# KiCad board hvd-50-ce-panel.kicad_pcb (continued)
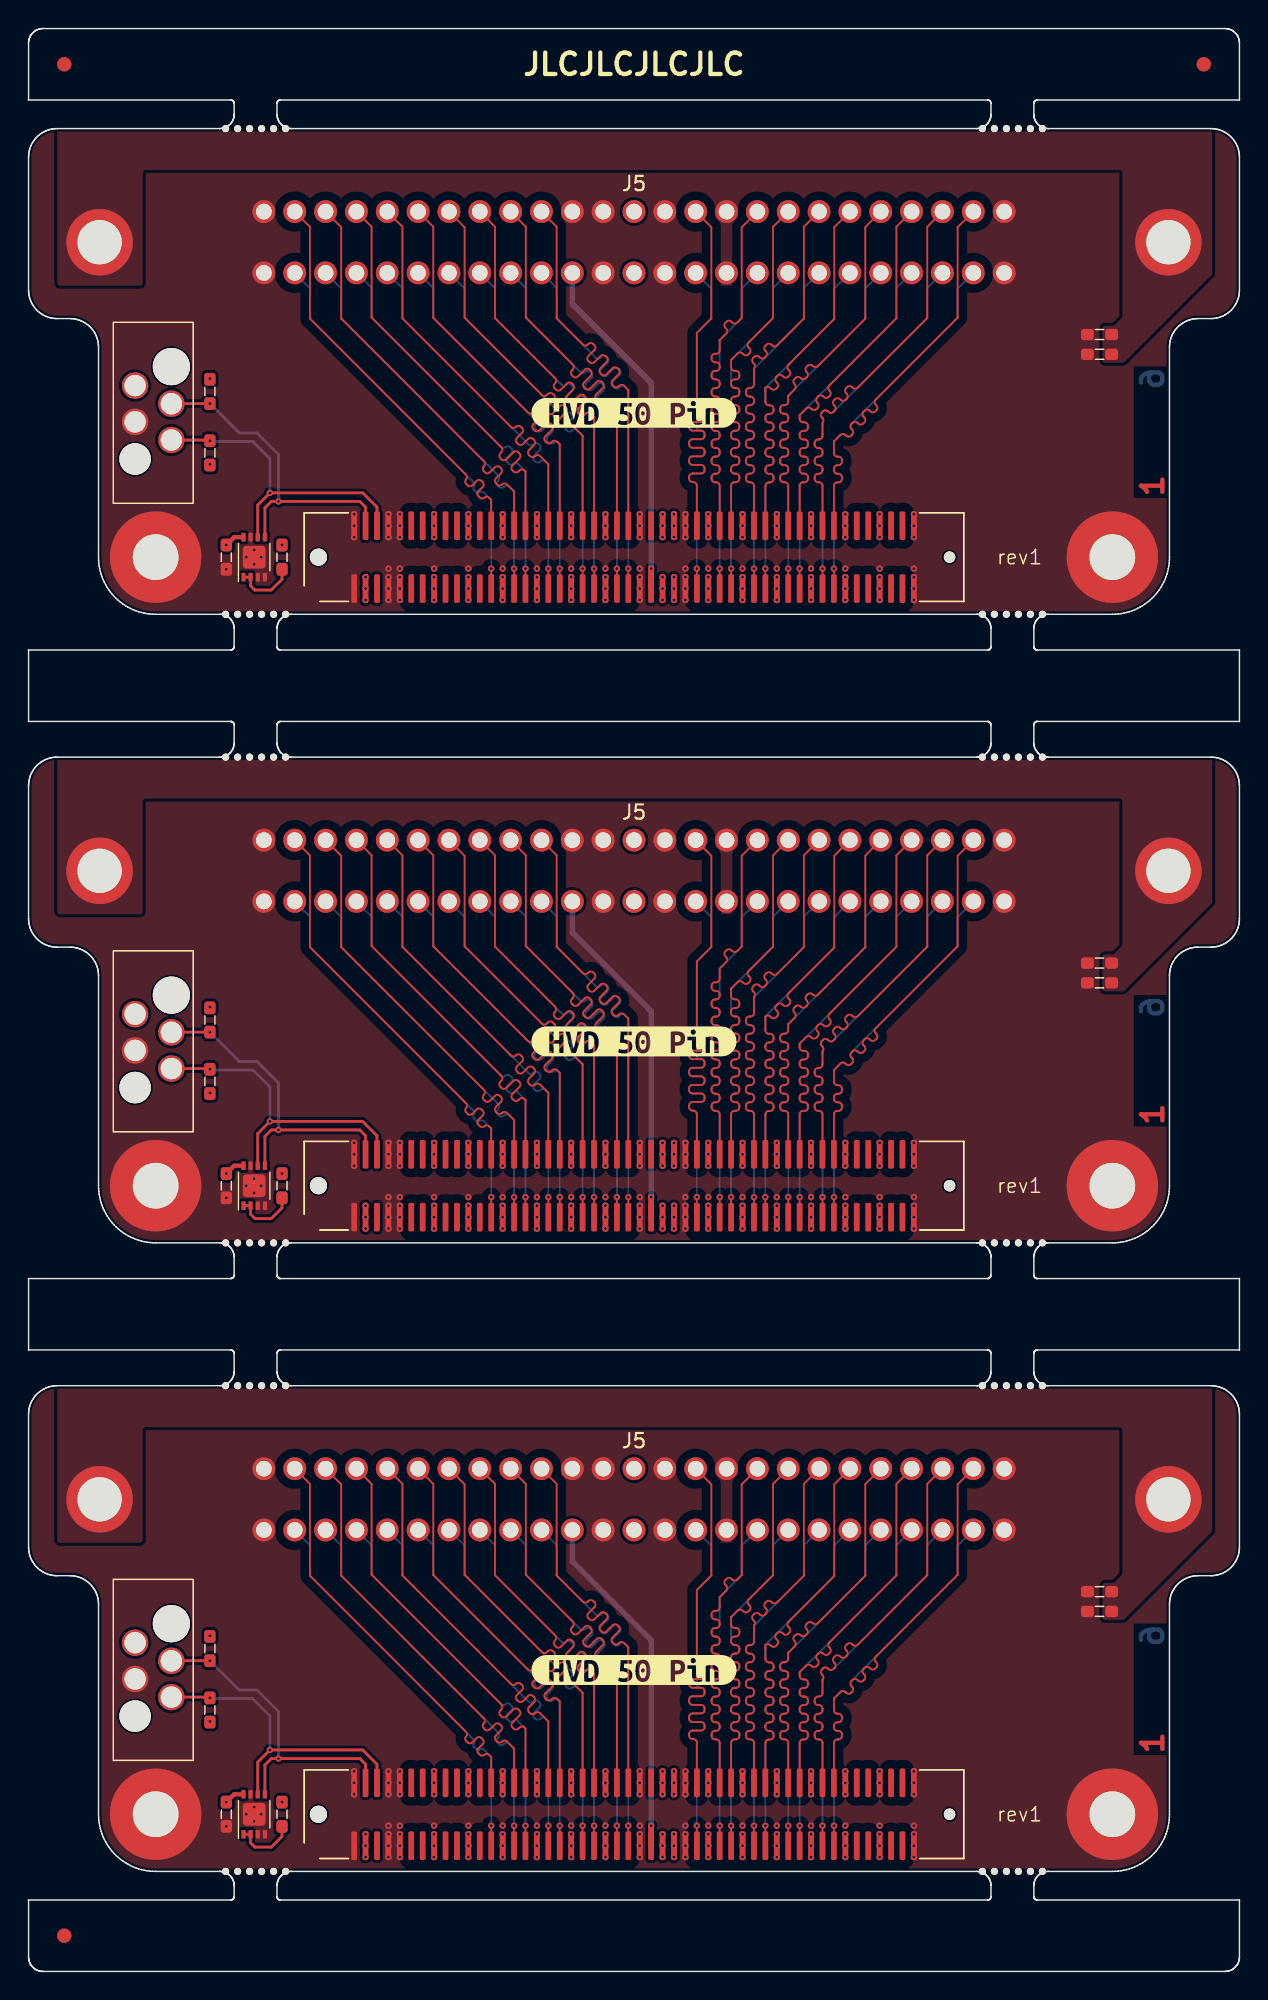
[diagram p0: board, top side]
## Routing (per net, layer and track width the routed paths; a pad name or vN(x,y) marks a point on that pad's centre or on a via; arc(x,y) is an arc through that point) (continued)
Board_1-/CON.SEL+: length 28.2
  Top w0.128: J1.77 v1(53.2,54.2)
  Bottom w0.128: v1(53.2,54.2) 53.2,60.01 arc(53.13,60.18) 52.96,60.25 52.89,60.25 arc(52.72,60.32) 52.65,60.49 52.65,60.61 arc(52.72,60.78) 52.89,60.85 52.96,60.85 arc(53.13,60.92) 53.2,61.09 53.2,61.21 arc(53.13,61.38) 52.96,61.45 52.89,61.45 arc(52.72,61.52) 52.65,61.69 52.65,61.81 arc(52.72,61.98) 52.89,62.05 52.96,62.05 arc(53.13,62.12) 53.2,62.29 53.2,62.41 arc(53.13,62.58) 52.96,62.65 52.89,62.65 arc(52.72,62.72) 52.65,62.89 52.65,63.01 arc(52.72,63.18) 52.89,63.25 52.96,63.25 arc(53.13,63.32) 53.2,63.49 53.2,63.61 arc(53.13,63.78) 52.96,63.85 52.89,63.85 arc(52.72,63.92) 52.65,64.09 52.65,64.21 arc(52.72,64.38) 52.89,64.45 52.96,64.45 arc(53.13,64.52) 53.2,64.69 53.2,64.81 arc(53.13,64.98) 52.96,65.05 52.89,65.05 arc(52.72,65.12) 52.65,65.29 52.65,65.41 arc(52.72,65.58) 52.89,65.65 52.96,65.65 arc(53.13,65.72) 53.2,65.89 53.2,66.3 58.6,71.7 58.6,73.82 J5#3.21
Board_1-/CON.SEL-: length 29.6
  Top w0.128: J5#3.46 58.6,78.11 58.6,71.7 55.27,68.37 arc(55.1,68.3) 54.93,68.37 54.9,68.4 arc(54.73,68.47) 54.56,68.4 54.48,68.32 arc(54.41,68.15) 54.48,67.98 54.51,67.95 arc(54.58,67.78) 54.51,67.61 54.42,67.53 arc(54.25,67.45) 54.08,67.53 54.05,67.56 arc(53.88,67.63) 53.71,67.56 53.63,67.47 arc(53.56,67.3) 53.63,67.13 53.66,67.1 arc(53.73,66.93) 53.66,66.76 53.2,66.3 53.2,65.88 arc(53.13,65.71) 52.96,65.64 52.87,65.64 arc(52.7,65.57) 52.63,65.4 52.63,65.28 arc(52.7,65.11) 52.87,65.04 52.96,65.04 arc(53.13,64.97) 53.2,64.8 53.2,64.68 arc(53.13,64.51) 52.96,64.44 52.87,64.44 arc(52.7,64.37) 52.63,64.2 52.63,64.08 arc(52.7,63.91) 52.87,63.84 52.96,63.84 arc(53.13,63.77) 53.2,63.6 53.2,63.48 arc(53.13,63.31) 52.96,63.24 52.87,63.24 arc(52.7,63.17) 52.63,63 52.63,62.88 arc(52.7,62.71) 52.87,62.64 52.96,62.64 arc(53.13,62.57) 53.2,62.4 53.2,62.28 arc(53.13,62.11) 52.96,62.04 52.87,62.04 arc(52.7,61.97) 52.63,61.8 52.63,61.68 arc(52.7,61.51) 52.87,61.44 52.96,61.44 arc(53.13,61.37) 53.2,61.2 53.2,61.08 arc(53.13,60.91) 52.96,60.84 52.87,60.84 arc(52.7,60.77) 52.63,60.6 52.63,60.48 arc(52.7,60.31) 52.87,60.24 52.96,60.24 arc(53.13,60.17) 53.2,60 J1.78
Board_1-/CON.TERMPWR:
  vias: v1(44.4,58) v1(44.4,57.2) v1(44.4,56.4) v1(44.4,53.6) v1(44.4,52.8) v1(44.4,52) v1(45.2,58) v1(45.2,57.2) v1(45.2,56.4) v1(45.2,53.6) v1(45.2,52.8) v1(45.2,52)
Board_1-/PHY.ID_SCL: length 22.5
  Top w0.2: J1.6 24.4,58.5 23.4,59.5 v1(16.9,59.5) 16.05,58.65 U1#2.6 ; v1(12.7,63.15) 12.35,63.15 12.3,63.2 J3#3.4
  Bottom w0.2: v1(12.7,63.15) 12.75,63.1 15.7,63.1 16.9,61.9 v1(16.9,59.5)
Board_1-/PHY.ID_SDA: length 23
  Top w0.2: J1.4 23.6,58.5 23.2,58.9 17,58.9 16.55,58.45 U1#2.5 ; v1(12.7,65.75) 10.01,65.75 J3#3.2
  Bottom w0.2: v1(17.5,58.9) 17.5,62.2 16,63.7 14.75,63.7 v1(12.7,65.75)
Board_1-GND:
  vias: v1(13.85,54.15) v1(15.25,55) v1(15.8,55.5) v1(15.8,54.5) v1(16.3,55) v1(22.8,58) v1(22.8,57.2) v1(22.8,56.4) v1(25.2,58) v1(25.2,57.2) v1(25.2,56.4) v1(25.2,54.2) v1(25.2,53.6) v1(25.2,52.8) v1(25.2,52) v1(26,58) v1(26,57.2) v1(26,56.4) v1(26,54.2) v1(26,53.6) v1(26,52.8) v1(26,52) v1(28.4,58) v1(28.4,57.2) v1(28.4,56.4) v1(28.4,54.2) v1(28.4,53.6) v1(28.4,52.8) v1(28.4,52) v1(30.8,58) v1(30.8,57.2) v1(30.8,56.4) v1(30.8,54.2) v1(30.8,53.6) v1(30.8,52.8) v1(30.8,52) v1(33.2,58) v1(33.2,57.2) v1(33.2,56.4) v1(33.2,54.2) v1(33.2,53.6) v1(33.2,52.8) v1(33.2,52) v1(35.6,58) v1(35.6,57.2) v1(35.6,56.4) v1(35.6,54.2) v1(35.6,53.6) v1(35.6,52.8) v1(35.6,52) v1(38,58) v1(38,57.2) v1(38,56.4) v1(38,54.2) v1(38,53.6) v1(38,52.8) v1(38,52) v1(40.4,58) v1(40.4,57.2) v1(40.4,56.4) v1(40.4,54.2) v1(40.4,53.6) v1(40.4,52.8) v1(40.4,52) v1(42.8,58) v1(42.8,57.2) v1(42.8,56.4) v1(42.8,54.2) v1(42.8,53.6) v1(42.8,52.8) v1(42.8,52) v1(46,58) v1(46,57.2) v1(46,56.4) v1(46,54.2) v1(46,53.6) v1(46,52.8) v1(46,52) v1(47.6,58) v1(47.6,57.2) v1(47.6,56.4) v1(47.6,54.2) v1(47.6,53.6) v1(47.6,52.8) v1(47.6,52) v1(50,58) v1(50,57.2) v1(50,56.4) v1(50,54.2) v1(50,53.6) v1(50,52.8) v1(50,52) v1(52.4,58) v1(52.4,57.2) v1(52.4,56.4) v1(52.4,54.2) v1(52.4,53.6) v1(52.4,52.8) v1(52.4,52) v1(54.8,58) v1(54.8,57.2) v1(54.8,56.4) v1(54.8,54.2) v1(54.8,53.6) v1(54.8,52.8) v1(54.8,52) v1(57.2,58) v1(57.2,57.2) v1(57.2,56.4) v1(57.2,54.2) v1(57.2,53.6) v1(57.2,52.8) v1(57.2,52) v1(59.6,58) v1(59.6,57.2) v1(59.6,56.4) v1(59.6,54.2) v1(59.6,53.6) v1(59.6,52.8) v1(59.6,52) v1(62,58) v1(62,57.2) v1(62,56.4) v1(62,54.2) v1(62,53.6) v1(62,52.8) v1(62,52)
Board_1-Net-(U1-E0): length 4.4
  Top w0.2: R1#2.1 17.75,53.45 17,52.7 15.85,52.7 15.55,53 U1#2.2 U1#2.1
Board_2-+3V3: length 1.4
  Top w0.3: U1.8 14.4,12.4 v1(13.85,11.85)
  vias: v1(12.7,23.5) v1(12.7,17.5) v1(17.75,11.85) v1(23.6,9.6) v1(23.6,8.8) v1(23.6,8)
Board_2-/CON.ACK+: length 28.2
  Top w0.128: J1#3.67 v1(49.2,10.2)
  Bottom w0.128: J5.18 52.14,29.84 52.14,27.74 49.2,24.8 49.2,23.1 arc(49.27,22.93) 49.44,22.86 49.54,22.86 arc(49.71,22.79) 49.78,22.62 49.78,22.5 arc(49.71,22.33) 49.54,22.26 49.44,22.26 arc(49.27,22.19) 49.2,22.02 49.2,21.9 arc(49.27,21.73) 49.44,21.66 49.54,21.66 arc(49.71,21.59) 49.78,21.42 49.78,21.3 arc(49.71,21.13) 49.54,21.06 49.44,21.06 arc(49.27,20.99) 49.2,20.82 49.2,20.7 arc(49.27,20.53) 49.44,20.46 49.54,20.46 arc(49.71,20.39) 49.78,20.22 49.78,20.1 arc(49.71,19.93) 49.54,19.86 49.44,19.86 arc(49.27,19.79) 49.2,19.62 49.2,19.5 arc(49.27,19.33) 49.44,19.26 49.54,19.26 arc(49.71,19.19) 49.78,19.02 49.78,18.9 arc(49.71,18.73) 49.54,18.66 49.44,18.66 arc(49.27,18.59) 49.2,18.42 49.2,18.3 arc(49.27,18.13) 49.44,18.06 49.54,18.06 arc(49.71,17.99) 49.78,17.82 49.78,17.7 arc(49.71,17.53) 49.54,17.46 49.44,17.46 arc(49.27,17.39) 49.2,17.22 49.2,17.1 arc(49.27,16.93) 49.44,16.86 49.54,16.86 arc(49.71,16.79) 49.78,16.62 49.78,16.5 arc(49.71,16.33) 49.54,16.26 49.44,16.26 arc(49.27,16.19) 49.2,16.02 v1(49.2,10.2)
Board_2-/CON.ACK-: length 29.6
  Top w0.128: J5.43 52.14,34.13 52.14,27.74 50.42,26.03 arc(50.35,25.86) 50.42,25.69 50.49,25.62 arc(50.56,25.45) 50.49,25.28 50.41,25.19 arc(50.24,25.12) 50.07,25.19 50,25.26 arc(49.83,25.33) 49.66,25.26 49.2,24.8 49.2,24.28 arc(49.27,24.12) 49.44,24.04 49.54,24.04 arc(49.71,23.97) 49.78,23.8 49.78,23.68 arc(49.71,23.52) 49.54,23.44 49.44,23.44 arc(49.27,23.37) 49.2,23.2 49.2,23.08 arc(49.27,22.92) 49.44,22.84 49.54,22.84 arc(49.71,22.77) 49.78,22.6 49.78,22.48 arc(49.71,22.32) 49.54,22.24 49.44,22.24 arc(49.27,22.17) 49.2,22 49.2,21.88 arc(49.27,21.72) 49.44,21.64 49.54,21.64 arc(49.71,21.57) 49.78,21.4 49.78,21.28 arc(49.71,21.12) 49.54,21.04 49.44,21.04 arc(49.27,20.97) 49.2,20.8 49.2,20.68 arc(49.27,20.52) 49.44,20.44 49.54,20.44 arc(49.71,20.37) 49.78,20.2 49.78,20.08 arc(49.71,19.92) 49.54,19.84 49.44,19.84 arc(49.27,19.77) 49.2,19.6 49.2,19.48 arc(49.27,19.32) 49.44,19.24 49.54,19.24 arc(49.71,19.17) 49.78,19 49.78,18.88 arc(49.71,18.72) 49.54,18.64 49.44,18.64 arc(49.27,18.57) 49.2,18.4 49.2,18.28 arc(49.27,18.12) 49.44,18.04 49.54,18.04 arc(49.71,17.97) 49.78,17.8 49.78,17.68 arc(49.71,17.52) 49.54,17.44 49.44,17.44 arc(49.27,17.37) 49.2,17.2 49.2,17.08 arc(49.27,16.92) 49.44,16.84 49.54,16.84 arc(49.71,16.77) 49.78,16.6 49.78,16.48 arc(49.71,16.32) 49.54,16.24 49.44,16.24 arc(49.27,16.17) 49.2,16 J1#3.68
Board_2-/CON.ATN+: length 28.2
  Top w0.128: J1#3.61 v1(46.8,10.2)
  Bottom w0.128: v1(46.8,10.2) 46.8,16.02 arc(46.73,16.19) 46.56,16.26 46.48,16.26 arc(46.31,16.33) 46.24,16.5 46.24,16.62 arc(46.31,16.79) 46.48,16.86 47.12,16.86 arc(47.29,16.93) 47.36,17.1 47.36,17.22 arc(47.29,17.39) 47.12,17.46 46.48,17.46 arc(46.31,17.53) 46.24,17.7 46.24,17.82 arc(46.31,17.99) 46.48,18.06 47.12,18.06 arc(47.29,18.13) 47.36,18.3 47.36,18.42 arc(47.29,18.59) 47.12,18.66 46.48,18.66 arc(46.31,18.73) 46.24,18.9 46.24,19.02 arc(46.31,19.19) 46.48,19.26 47.12,19.26 arc(47.29,19.33) 47.36,19.5 47.36,19.62 arc(47.29,19.79) 47.12,19.86 47.04,19.86 arc(46.87,19.93) 46.8,20.1 46.8,26.7 47.81,27.71 47.81,29.81 J5.15
Board_2-/CON.ATN-: length 29.6
  Top w0.128: J1#3.62 46.8,16.02 arc(46.73,16.19) 46.56,16.26 46.5,16.26 arc(46.33,16.33) 46.26,16.5 46.26,16.62 arc(46.33,16.79) 46.5,16.86 47.1,16.86 arc(47.27,16.93) 47.34,17.1 47.34,17.22 arc(47.27,17.39) 47.1,17.46 46.5,17.46 arc(46.33,17.53) 46.26,17.7 46.26,17.82 arc(46.33,17.99) 46.5,18.06 47.1,18.06 arc(47.27,18.13) 47.34,18.3 47.34,18.42 arc(47.27,18.59) 47.1,18.66 46.5,18.66 arc(46.33,18.73) 46.26,18.9 46.26,19.02 arc(46.33,19.19) 46.5,19.26 47.1,19.26 arc(47.27,19.33) 47.34,19.5 47.34,19.62 arc(47.27,19.79) 47.1,19.86 46.5,19.86 arc(46.33,19.93) 46.26,20.1 46.26,20.22 arc(46.33,20.39) 46.5,20.46 47.1,20.46 arc(47.27,20.53) 47.34,20.7 47.34,20.82 arc(47.27,20.99) 47.1,21.06 47.04,21.06 arc(46.87,21.13) 46.8,21.3 46.8,26.7 47.82,27.72 47.82,34.1 J5.40
Board_2-/CON.BSY+: length 28.2
  Top w0.128: J1#3.65 v1(48.4,10.2)
  Bottom w0.128: J5.17 49.94,29.8 49.94,27.74 48.4,26.2 48.4,24.29 arc(48.33,24.12) 48.16,24.05 48.08,24.05 arc(47.91,23.98) 47.84,23.81 47.84,23.69 arc(47.91,23.52) 48.08,23.45 48.16,23.45 arc(48.33,23.38) 48.4,23.21 48.4,23.09 arc(48.33,22.92) 48.16,22.85 48.08,22.85 arc(47.91,22.78) 47.84,22.61 47.84,22.49 arc(47.91,22.32) 48.08,22.25 48.16,22.25 arc(48.33,22.18) 48.4,22.01 48.4,21.89 arc(48.33,21.72) 48.16,21.65 48.08,21.65 arc(47.91,21.58) 47.84,21.41 47.84,21.29 arc(47.91,21.12) 48.08,21.05 48.16,21.05 arc(48.33,20.98) 48.4,20.81 48.4,20.69 arc(48.33,20.52) 48.16,20.45 48.08,20.45 arc(47.91,20.38) 47.84,20.21 47.84,20.09 arc(47.91,19.92) 48.08,19.85 48.16,19.85 arc(48.33,19.78) 48.4,19.61 48.4,19.49 arc(48.33,19.32) 48.16,19.25 48.08,19.25 arc(47.91,19.18) 47.84,19.01 47.84,18.89 arc(47.91,18.72) 48.08,18.65 48.16,18.65 arc(48.33,18.58) 48.4,18.41 48.4,18.29 arc(48.33,18.12) 48.16,18.05 48.08,18.05 arc(47.91,17.98) 47.84,17.81 47.84,17.69 arc(47.91,17.52) 48.08,17.45 48.16,17.45 arc(48.33,17.38) 48.4,17.21 48.4,17.09 arc(48.33,16.92) 48.16,16.85 48.08,16.85 arc(47.91,16.78) 47.84,16.61 47.84,16.49 arc(47.91,16.32) 48.08,16.25 48.16,16.25 arc(48.33,16.18) 48.4,16.01 v1(48.4,10.2)
Board_2-/CON.BSY-: length 29.6
  Top w0.128: J1#3.66 48.4,16 arc(48.33,16.17) 48.16,16.24 48.07,16.24 arc(47.9,16.31) 47.83,16.48 47.83,16.6 arc(47.9,16.77) 48.07,16.84 48.16,16.84 arc(48.33,16.91) 48.4,17.08 48.4,17.2 arc(48.33,17.37) 48.16,17.44 48.07,17.44 arc(47.9,17.51) 47.83,17.68 47.83,17.8 arc(47.9,17.97) 48.07,18.04 48.16,18.04 arc(48.33,18.11) 48.4,18.28 48.4,18.4 arc(48.33,18.57) 48.16,18.64 48.07,18.64 arc(47.9,18.71) 47.83,18.88 47.83,19 arc(47.9,19.17) 48.07,19.24 48.16,19.24 arc(48.33,19.31) 48.4,19.48 48.4,19.6 arc(48.33,19.77) 48.16,19.84 48.07,19.84 arc(47.9,19.91) 47.83,20.08 47.83,20.2 arc(47.9,20.37) 48.07,20.44 48.16,20.44 arc(48.33,20.51) 48.4,20.68 48.4,20.8 arc(48.33,20.97) 48.16,21.04 48.07,21.04 arc(47.9,21.11) 47.83,21.28 47.83,21.4 arc(47.9,21.57) 48.07,21.64 48.16,21.64 arc(48.33,21.71) 48.4,21.88 48.4,22 arc(48.33,22.17) 48.16,22.24 48.07,22.24 arc(47.9,22.31) 47.83,22.48 47.83,22.6 arc(47.9,22.77) 48.07,22.84 48.16,22.84 arc(48.33,22.91) 48.4,23.08 48.4,23.2 arc(48.33,23.37) 48.16,23.44 48.07,23.44 arc(47.9,23.51) 47.83,23.68 47.83,23.8 arc(47.9,23.97) 48.07,24.04 48.16,24.04 arc(48.33,24.11) 48.4,24.28 48.4,24.4 arc(48.33,24.57) 48.16,24.64 48.07,24.64 arc(47.9,24.71) 47.83,24.88 47.83,25 arc(47.9,25.17) 48.07,25.24 48.16,25.24 arc(48.33,25.31) 48.4,25.48 48.4,26.2 48.86,26.66 arc(48.93,26.83) 48.86,27 48.8,27.06 arc(48.73,27.23) 48.8,27.4 48.88,27.49 arc(49.05,27.56) 49.22,27.49 49.28,27.43 arc(49.45,27.35) 49.62,27.43 49.94,27.75 49.94,34.1 J5.42
Board_2-/CON.C/D+: length 28.2
  Top w0.128: J1#3.79 v1(54,10.2)
  Bottom w0.128: v1(54,10.2) 54,16.01 arc(54.07,16.18) 54.24,16.25 54.32,16.25 arc(54.49,16.32) 54.56,16.49 54.56,16.61 arc(54.49,16.78) 54.32,16.85 54.24,16.85 arc(54.07,16.92) 54,17.09 54,17.21 arc(54.07,17.38) 54.24,17.45 54.32,17.45 arc(54.49,17.52) 54.56,17.69 54.56,17.81 arc(54.49,17.98) 54.32,18.05 54.24,18.05 arc(54.07,18.12) 54,18.29 54,18.41 arc(54.07,18.58) 54.24,18.65 54.32,18.65 arc(54.49,18.72) 54.56,18.89 54.56,19.01 arc(54.49,19.18) 54.32,19.25 54.24,19.25 arc(54.07,19.32) 54,19.49 54,19.61 arc(54.07,19.78) 54.24,19.85 54.32,19.85 arc(54.49,19.92) 54.56,20.09 54.56,20.21 arc(54.49,20.38) 54.32,20.45 54.24,20.45 arc(54.07,20.52) 54,20.69 54,20.95 60.77,27.72 60.77,29.83 J5.22
Board_2-/CON.C/D-: length 29.6
  Top w0.128: J5.47 60.78,34.13 60.78,27.73 56.16,23.11 56.07,23.02 arc(56,22.85) 56.07,22.68 56.11,22.64 arc(56.18,22.47) 56.11,22.3 56.03,22.22 arc(55.86,22.15) 55.69,22.22 55.65,22.26 arc(55.48,22.33) 55.31,22.26 55.22,22.17 arc(55.15,22) 55.22,21.83 55.26,21.79 arc(55.33,21.62) 55.26,21.45 55.18,21.37 arc(55.01,21.3) 54.84,21.37 54.8,21.41 arc(54.63,21.48) 54.46,21.41 54,20.95 54,20.68 arc(54.07,20.51) 54.24,20.44 54.35,20.44 arc(54.52,20.37) 54.59,20.2 54.59,20.08 arc(54.52,19.91) 54.35,19.84 54.24,19.84 arc(54.07,19.77) 54,19.6 54,19.48 arc(54.07,19.31) 54.24,19.24 54.35,19.24 arc(54.52,19.17) 54.59,19 54.59,18.88 arc(54.52,18.71) 54.35,18.64 54.24,18.64 arc(54.07,18.57) 54,18.4 54,18.28 arc(54.07,18.11) 54.24,18.04 54.35,18.04 arc(54.52,17.97) 54.59,17.8 54.59,17.68 arc(54.52,17.51) 54.35,17.44 54.24,17.44 arc(54.07,17.37) 54,17.2 54,17.08 arc(54.07,16.91) 54.24,16.84 54.35,16.84 arc(54.52,16.77) 54.59,16.6 54.59,16.48 arc(54.52,16.31) 54.35,16.24 54.24,16.24 arc(54.07,16.17) 54,16 J1#3.80
Board_2-/CON.DB0+: length 28.2
  Top w0.128: J1#3.25 v1(32.4,10.2)
  Bottom w0.128: v1(32.4,10.2) 32.4,15 31.86,15.54 arc(31.74,15.59) 31.61,15.54 arc(31.49,15.49) 31.37,15.54 31.19,15.72 arc(31.14,15.84) 31.19,15.96 arc(31.24,16.09) 31.19,16.21 19.7,27.7 19.7,29.84 J5.2
Board_2-/CON.DB0-: length 29.6
  Top w0.128: J1#3.26 32.4,15.01 32.24,15.17 arc(32.08,15.23) 31.93,15.17 arc(31.77,15.1) 31.61,15.17 31.49,15.28 arc(31.42,15.44) 31.49,15.6 31.81,15.92 arc(31.88,16.08) 31.81,16.24 31.71,16.35 arc(31.55,16.41) 31.38,16.35 31.07,16.03 arc(30.91,15.96) 30.75,16.03 30.64,16.13 arc(30.58,16.29) 30.64,16.45 arc(30.71,16.61) 30.64,16.77 19.7,27.71 19.7,34.13 J5.27
Board_2-/CON.DB1+: length 28.2
  Top w0.128: J1#3.29 v1(34,10.2)
  Bottom w0.128: J5.3 21.9,29.8 21.9,27.7 32.9,16.71 arc(32.97,16.54) 32.9,16.37 32.87,16.34 arc(32.8,16.17) 32.87,16 32.95,15.91 arc(33.12,15.84) 33.29,15.91 33.32,15.94 arc(33.49,16.01) 33.66,15.94 34,15.6 v1(34,10.2)
Board_2-/CON.DB1-: length 29.6
  Top w0.128: J1#3.30 34,15.6 33.5,16.1 arc(33.33,16.17) 33.16,16.1 33.15,16.09 arc(32.98,16.02) 32.81,16.09 32.73,16.17 arc(32.66,16.34) 32.73,16.51 33.09,16.88 arc(33.16,17.05) 33.09,17.22 33.01,17.3 arc(32.84,17.37) 32.67,17.3 32.3,16.94 arc(32.13,16.87) 31.96,16.94 31.88,17.02 arc(31.81,17.19) 31.88,17.36 31.89,17.37 arc(31.96,17.54) 31.89,17.71 31.81,17.8 21.9,27.71 21.9,34.1 J5.28
Board_2-/CON.DB2+: length 28.2
  Top w0.128: J1#3.31 v1(34.8,10.2)
  Bottom w0.128: v1(34.8,10.2) 34.8,17 34.27,17.53 arc(34.11,17.6) 33.96,17.53 arc(33.8,17.47) 33.65,17.53 33.52,17.66 arc(33.45,17.82) 33.52,17.97 33.83,18.28 arc(33.9,18.44) 33.83,18.59 33.72,18.71 arc(33.56,18.77) 33.41,18.71 arc(33.25,18.64) 33.1,18.71 24.03,27.78 24.03,29.84 J5.4
Board_2-/CON.DB2-: length 29.6
  Top w0.128: J5.29 24.02,34.13 24.02,27.78 33.11,18.69 arc(33.18,18.52) 33.11,18.35 33.04,18.27 arc(32.97,18.1) 33.04,17.93 33.12,17.85 arc(33.29,17.77) 33.46,17.85 33.96,18.34 arc(34.13,18.41) 34.3,18.34 34.38,18.26 arc(34.45,18.09) 34.38,17.92 33.88,17.42 arc(33.81,17.25) 33.88,17.08 33.97,17 arc(34.14,16.93) 34.31,17 34.39,17.08 arc(34.56,17.15) 34.73,17.08 34.8,17 J1#3.32
Board_2-/CON.DB3+: length 28.2
  Top w0.128: J1#3.35 v1(36.4,10.2)
  Bottom w0.128: v1(36.4,10.2) 36.4,17.5 36.19,17.71 arc(36.02,17.78) 35.85,17.71 35.83,17.69 arc(35.66,17.62) 35.49,17.69 35.41,17.77 arc(35.34,17.94) 35.41,18.11 35.79,18.49 arc(35.86,18.66) 35.79,18.83 35.71,18.92 arc(35.54,18.99) 35.37,18.92 35.35,18.9 arc(35.18,18.83) 35.01,18.9 26.18,27.72 26.18,29.84 J5.5
Board_2-/CON.DB3-: length 29.6
  Top w0.128: J1#3.36 36.4,17.5 35.82,18.08 arc(35.65,18.15) 35.48,18.08 35.47,18.07 arc(35.3,18) 35.13,18.07 35.04,18.15 arc(34.97,18.32) 35.04,18.49 35.41,18.86 arc(35.48,19.03) 35.41,19.2 35.32,19.28 arc(35.15,19.35) 34.98,19.28 34.62,18.92 arc(34.45,18.85) 34.28,18.92 34.19,19 arc(34.12,19.17) 34.19,19.34 34.56,19.71 arc(34.63,19.88) 34.56,20.05 34.47,20.13 arc(34.31,20.2) 34.14,20.13 34.12,20.12 arc(33.95,20.05) 33.78,20.12 26.18,27.72 26.18,34.13 J5.30
Board_2-/CON.DB4+: length 28.2
  Top w0.128: J1#3.37 v1(37.2,10.2)
  Bottom w0.128: v1(37.2,10.2) 37.2,18.9 37.1,19 arc(36.94,19.07) 36.77,19 arc(36.61,18.93) 36.44,19 36.34,19.1 arc(36.27,19.27) 36.34,19.43 36.67,19.76 arc(36.74,19.93) 36.67,20.09 36.58,20.18 arc(36.41,20.25) 36.25,20.18 35.92,19.86 arc(35.75,19.79) 35.59,19.86 35.49,19.95 arc(35.43,20.12) 35.49,20.28 arc(35.56,20.44) 35.49,20.61 28.35,27.75 28.35,29.83 J5.6
Board_2-/CON.DB4-: length 29.6
  Top w0.128: J1#3.38 37.2,18.9 37.01,19.09 arc(36.84,19.16) 36.67,19.09 36.61,19.03 arc(36.44,18.96) 36.27,19.03 36.18,19.11 arc(36.11,19.28) 36.18,19.45 36.65,19.92 arc(36.72,20.09) 36.65,20.26 36.56,20.34 arc(36.4,20.41) 36.23,20.34 35.76,19.88 arc(35.59,19.81) 35.42,19.88 35.34,19.96 arc(35.27,20.13) 35.34,20.3 35.8,20.77 arc(35.87,20.94) 35.8,21.11 35.72,21.19 arc(35.55,21.26) 35.38,21.19 35.31,21.13 arc(35.14,21.06) 34.97,21.13 28.34,27.76 28.34,34.13 J5.31
Board_2-/CON.DB5+: length 28.2
  Top w0.128: J1#3.41 v1(38.8,10.2)
  Bottom w0.128: J5.7 30.54,29.8 30.54,27.76 36.73,21.58 36.81,21.49 arc(36.88,21.32) 36.81,21.15 36.79,21.13 arc(36.72,20.96) 36.79,20.79 36.88,20.71 arc(37.05,20.64) 37.22,20.71 37.59,21.09 arc(37.76,21.16) 37.93,21.09 38.02,21 arc(38.09,20.83) 38.02,20.66 37.64,20.28 arc(37.57,20.11) 37.64,19.94 37.73,19.86 arc(37.9,19.79) 38.06,19.86 38.08,19.88 arc(38.25,19.95) 38.42,19.88 38.8,19.5 v1(38.8,10.2)
Board_2-/CON.DB5-: length 29.6
  Top w0.128: J1#3.42 38.8,19.5 37.99,20.31 arc(37.82,20.38) 37.65,20.31 37.57,20.23 arc(37.4,20.16) 37.23,20.23 37.14,20.31 arc(37.07,20.48) 37.14,20.65 37.65,21.16 arc(37.72,21.33) 37.65,21.5 37.56,21.58 arc(37.4,21.65) 37.23,21.58 36.72,21.08 arc(36.55,21.01) 36.38,21.08 36.3,21.16 arc(36.23,21.33) 36.3,21.5 36.8,22.01 arc(36.87,22.18) 36.8,22.35 36.72,22.43 arc(36.55,22.5) 36.38,22.43 36.29,22.35 arc(36.12,22.28) 35.95,22.35 35.87,22.43 30.54,27.77 30.54,34.1 J5.32
Board_2-/CON.DB6+: length 28.2
  Top w0.128: J1#3.43 v1(39.6,10.2)
  Bottom w0.128: v1(39.6,10.2) 39.6,20.8 39.37,21.04 arc(39.2,21.1) 39.03,21.04 arc(38.86,20.97) 38.69,21.04 38.6,21.12 arc(38.53,21.29) 38.6,21.46 38.94,21.8 arc(39.01,21.97) 38.94,22.13 38.85,22.22 arc(38.69,22.29) 38.52,22.22 38.18,21.89 arc(38.01,21.82) 37.84,21.89 37.76,21.97 arc(37.69,22.14) 37.76,22.31 38.09,22.65 arc(38.16,22.81) 38.09,22.98 38,23.07 arc(37.84,23.14) 37.67,23.07 arc(37.5,23) 37.33,23.07 32.66,27.74 32.66,29.84 J5.8
Board_2-/CON.DB6-: length 29.6
  Top w0.128: J1#3.44 39.6,20.8 39.34,21.06 arc(39.17,21.13) 39,21.06 38.93,21 arc(38.76,20.92) 38.59,21 38.51,21.08 arc(38.44,21.25) 38.51,21.42 38.98,21.89 arc(39.05,22.06) 38.98,22.23 38.9,22.32 arc(38.73,22.39) 38.56,22.32 38.12,21.88 arc(37.95,21.81) 37.78,21.88 37.7,21.96 arc(37.63,22.13) 37.7,22.3 38.13,22.74 arc(38.2,22.91) 38.13,23.08 38.05,23.17 arc(37.88,23.24) 37.71,23.17 37.27,22.73 arc(37.1,22.66) 36.93,22.73 36.85,22.81 arc(36.78,22.98) 36.85,23.15 36.88,23.18 arc(36.95,23.35) 36.88,23.52 32.66,27.74 32.66,34.13 J5.33
Board_2-/CON.DB7+: length 28.2
  Top w0.128: J1#3.47 v1(41.2,10.2)
  Bottom w0.128: J5.9 34.82,29.84 34.82,27.78 38.65,23.96 arc(38.82,23.89) 38.99,23.96 39,23.97 arc(39.17,24.04) 39.34,23.97 39.43,23.89 arc(39.5,23.72) 39.43,23.55 39.05,23.17 arc(38.98,23) 39.05,22.83 39.14,22.75 arc(39.31,22.68) 39.48,22.75 39.85,23.13 arc(40.02,23.2) 40.19,23.13 40.28,23.04 arc(40.35,22.87) 40.28,22.7 39.9,22.33 arc(39.83,22.16) 39.9,21.99 39.99,21.9 arc(40.16,21.83) 40.33,21.9 40.34,21.92 arc(40.51,21.99) 40.68,21.92 41.2,21.4 v1(41.2,10.2)
Board_2-/CON.DB7-: length 29.6
  Top w0.128: J1#3.48 41.2,21.4 40.58,22.02 arc(40.41,22.09) 40.24,22.02 40.17,21.95 arc(40,21.88) 39.83,21.95 39.75,22.04 arc(39.68,22.21) 39.75,22.38 40.22,22.86 arc(40.29,23.03) 40.22,23.2 40.14,23.28 arc(39.97,23.35) 39.8,23.28 39.32,22.8 arc(39.15,22.73) 38.98,22.8 38.9,22.89 arc(38.83,23.06) 38.9,23.23 39.38,23.7 arc(39.45,23.87) 39.38,24.04 39.29,24.13 arc(39.12,24.2) 38.95,24.13 38.47,23.65 arc(38.3,23.58) 38.13,23.65 38.05,23.74 arc(37.98,23.91) 38.05,24.08 38.12,24.14 arc(38.19,24.31) 38.12,24.48 34.82,27.78 34.82,34.13 J5.34
Board_2-/CON.DIFFSENSE: length 24.4
  Top w0.4: J1#3.53 v1(43.6,10.2)
  Bottom w0.4: J5.11 38.08,28.72 43.6,23.2 v1(43.6,10.2)
Board_2-/CON.DP0+: length 28.2
  Top w0.128: J1#3.49 v1(42,10.2)
  Bottom w0.128: v1(42,10.2) 42,22.7 41.76,22.94 arc(41.59,23.01) 41.42,22.94 41.35,22.87 arc(41.18,22.8) 41.01,22.87 40.93,22.96 arc(40.86,23.13) 40.93,23.3 41.4,23.77 arc(41.47,23.94) 41.4,24.11 41.32,24.2 arc(41.15,24.27) 40.98,24.2 40.5,23.72 arc(40.33,23.65) 40.16,23.72 40.08,23.81 arc(40.01,23.98) 40.08,24.15 40.56,24.62 arc(40.63,24.79) 40.56,24.96 40.47,25.05 arc(40.3,25.12) 40.13,25.05 40.06,24.98 arc(39.89,24.91) 39.72,24.98 36.98,27.72 36.98,29.84 J5.10
Board_2-/CON.DP0-: length 29.6
  Top w0.128: J1#3.50 42,22.7 41.7,23 arc(41.54,23.07) 41.37,23 41.32,22.95 arc(41.15,22.88) 40.98,22.95 40.89,23.04 arc(40.82,23.21) 40.89,23.37 41.33,23.81 arc(41.4,23.98) 41.33,24.15 41.24,24.23 arc(41.07,24.3) 40.9,24.23 40.47,23.8 arc(40.3,23.73) 40.13,23.8 40.05,23.88 arc(39.98,24.05) 40.05,24.22 40.48,24.66 arc(40.55,24.83) 40.48,25 40.39,25.08 arc(40.22,25.15) 40.05,25.08 39.62,24.65 arc(39.45,24.58) 39.28,24.65 39.2,24.73 arc(39.13,24.9) 39.2,25.07 39.63,25.5 arc(39.7,25.67) 39.63,25.84 39.55,25.93 arc(39.38,26) 39.21,25.93 39.16,25.88 arc(38.99,25.81) 38.82,25.88 36.98,27.72 36.98,34.13 J5.35
Board_2-/CON.I/O+: length 28.2
  Top w0.128: J1#3.85 v1(56.4,10.2)
  Bottom w0.128: v1(56.4,10.2) 56.4,16.01 arc(56.47,16.17) 56.64,16.25 56.71,16.25 arc(56.88,16.32) 56.95,16.49 56.95,16.61 arc(56.88,16.77) 56.71,16.85 56.64,16.85 arc(56.47,16.92) 56.4,17.09 56.4,17.21 arc(56.47,17.37) 56.64,17.45 56.71,17.45 arc(56.88,17.52) 56.95,17.69 56.95,17.81 arc(56.88,17.97) 56.71,18.05 56.64,18.05 arc(56.47,18.12) 56.4,18.29 56.4,19.1 56.86,19.56 arc(57.03,19.63) 57.2,19.56 57.25,19.51 arc(57.42,19.44) 57.59,19.51 57.67,19.6 arc(57.74,19.77) 57.67,19.94 57.62,19.99 arc(57.55,20.16) 57.62,20.33 57.71,20.41 65.06,27.76 65.06,29.8 J5.24
Board_2-/CON.I/O-: length 29.6
  Top w0.128: J5.49 65.06,34.1 65.06,27.77 59.41,22.11 59.32,22.02 arc(59.25,21.85) 59.32,21.68 59.38,21.62 arc(59.45,21.45) 59.38,21.28 59.3,21.2 arc(59.13,21.13) 58.96,21.2 58.9,21.26 arc(58.73,21.33) 58.56,21.26 58.47,21.17 arc(58.4,21) 58.47,20.83 58.53,20.77 arc(58.6,20.6) 58.53,20.44 58.45,20.35 arc(58.28,20.28) 58.11,20.35 58.05,20.41 arc(57.88,20.48) 57.71,20.41 57.62,20.33 arc(57.55,20.16) 57.62,19.99 57.68,19.93 arc(57.75,19.76) 57.68,19.59 57.6,19.5 arc(57.43,19.43) 57.26,19.5 57.2,19.56 arc(57.03,19.63) 56.86,19.56 56.4,19.1 56.4,18.28 arc(56.47,18.11) 56.64,18.04 56.72,18.04 arc(56.89,17.97) 56.96,17.8 56.96,17.68 arc(56.89,17.51) 56.72,17.44 56.64,17.44 arc(56.47,17.37) 56.4,17.2 56.4,17.08 arc(56.47,16.91) 56.64,16.84 56.72,16.84 arc(56.89,16.77) 56.96,16.6 56.96,16.48 arc(56.89,16.31) 56.72,16.24 56.64,16.24 arc(56.47,16.17) 56.4,16 J1#3.86
Board_2-/CON.MSG+: length 28.2
  Top w0.128: J1#3.73 v1(51.6,10.2)
  Bottom w0.128: J5.20 56.42,29.8 56.42,27.67 51.6,22.85 51.6,21.88 arc(51.67,21.71) 51.84,21.64 51.93,21.64 arc(52.1,21.57) 52.17,21.4 52.17,21.28 arc(52.1,21.11) 51.93,21.04 51.84,21.04 arc(51.67,20.97) 51.6,20.8 51.6,20.68 arc(51.67,20.51) 51.84,20.44 51.93,20.44 arc(52.1,20.37) 52.17,20.2 52.17,20.08 arc(52.1,19.91) 51.93,19.84 51.84,19.84 arc(51.67,19.77) 51.6,19.6 51.6,19.48 arc(51.67,19.31) 51.84,19.24 51.93,19.24 arc(52.1,19.17) 52.17,19 52.17,18.88 arc(52.1,18.71) 51.93,18.64 51.84,18.64 arc(51.67,18.57) 51.6,18.4 51.6,18.28 arc(51.67,18.11) 51.84,18.04 51.93,18.04 arc(52.1,17.97) 52.17,17.8 52.17,17.68 arc(52.1,17.51) 51.93,17.44 51.84,17.44 arc(51.67,17.37) 51.6,17.2 51.6,17.08 arc(51.67,16.91) 51.84,16.84 51.93,16.84 arc(52.1,16.77) 52.17,16.6 52.17,16.48 arc(52.1,16.31) 51.93,16.24 51.84,16.24 arc(51.67,16.17) 51.6,16 v1(51.6,10.2)
Board_2-/CON.MSG-: length 29.6
  Top w0.128: J5.45 56.42,34.1 56.42,27.68 53.21,24.46 arc(53.14,24.29) 53.21,24.12 53.28,24.06 arc(53.35,23.89) 53.28,23.72 53.2,23.63 arc(53.03,23.56) 52.86,23.63 52.79,23.7 arc(52.62,23.77) 52.45,23.7 52.36,23.62 arc(52.29,23.45) 52.36,23.28 52.43,23.21 arc(52.5,23.04) 52.43,22.87 52.35,22.78 arc(52.18,22.71) 52.01,22.78 51.94,22.85 arc(51.77,22.92) 51.6,22.85 51.6,21.87 arc(51.67,21.7) 51.84,21.63 51.94,21.63 arc(52.11,21.56) 52.18,21.39 52.18,21.27 arc(52.11,21.1) 51.94,21.03 51.84,21.03 arc(51.67,20.96) 51.6,20.79 51.6,20.67 arc(51.67,20.5) 51.84,20.43 51.94,20.43 arc(52.11,20.36) 52.18,20.19 52.18,20.07 arc(52.11,19.9) 51.94,19.83 51.84,19.83 arc(51.67,19.76) 51.6,19.59 51.6,19.47 arc(51.67,19.3) 51.84,19.23 51.94,19.23 arc(52.11,19.16) 52.18,18.99 52.18,18.87 arc(52.11,18.7) 51.94,18.63 51.84,18.63 arc(51.67,18.56) 51.6,18.39 51.6,18.27 arc(51.67,18.1) 51.84,18.03 51.94,18.03 arc(52.11,17.96) 52.18,17.79 52.18,17.67 arc(52.11,17.5) 51.94,17.43 51.84,17.43 arc(51.67,17.36) 51.6,17.19 51.6,17.07 arc(51.67,16.9) 51.84,16.83 51.94,16.83 arc(52.11,16.76) 52.18,16.59 52.18,16.47 arc(52.11,16.3) 51.94,16.23 51.84,16.23 arc(51.67,16.16) 51.6,15.99 J1#3.74
